# Altium PCB CL-HC-M-V2.1gerber.PcbDoc (part 11 of 18) (continued)
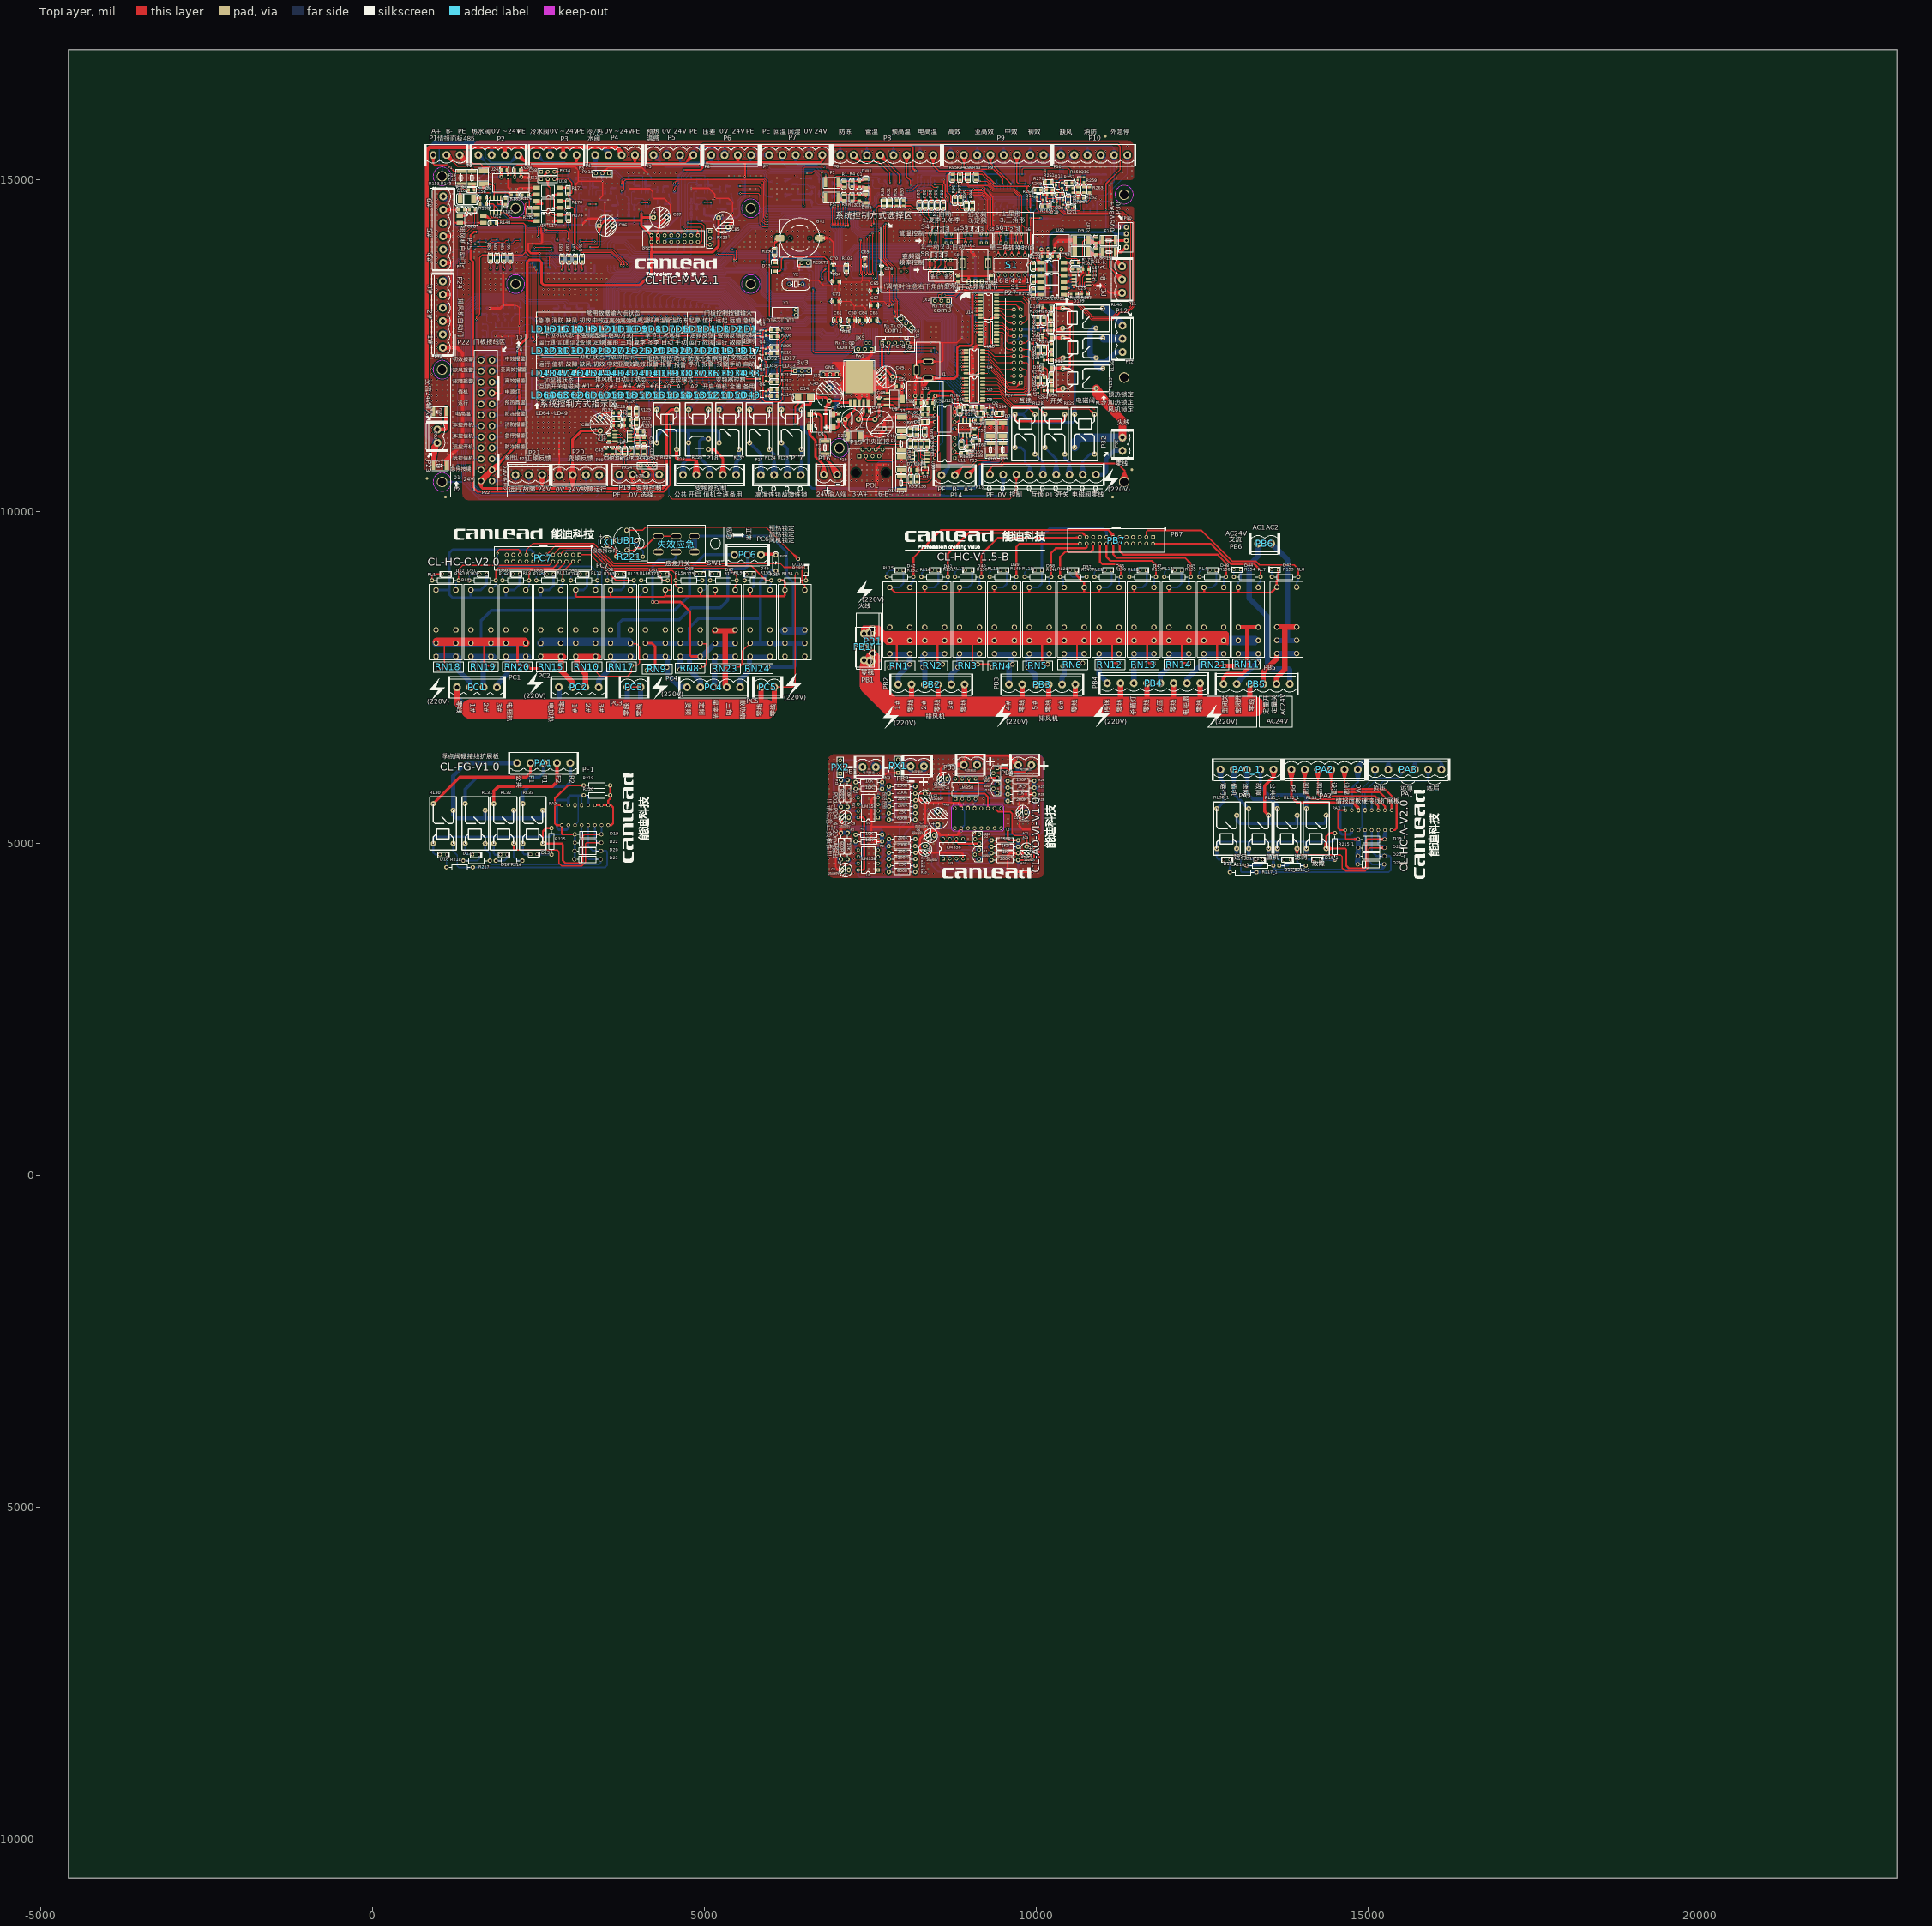
[diagram p0: TopLayer view]
## Nets (pads, with @x,y where several pads share a name; then routed paths per layer and width w, separated by ;. In a path a pad name is that pad's centre, name@x,y a point inside that pad or via, vN(x,y) a via of type N, cw(c..) or ccw(c..) an arc to the next point about the centre after c; other vN are vias at no path point) (continued)
10011.13,14225.98 10091.13,14225.98 10171.13,14225.98 891.13,14305.98 971.13,14305.98 3211.13,14305.98 3531.13,14305.98 3691.13,14305.98 3771.13,14305.98 3851.13,14305.98 3931.13,14305.98 5051.13,14305.98 5131.13,14305.98 5451.13,14305.98 5531.13,14305.98 6251.13,14305.98 6331.13,14305.98 6411.13,14305.98 6491.13,14305.98 6571.13,14305.98 6651.13,14305.98 6731.13,14305.98 6811.13,14305.98 7371.13,14305.98 7451.13,14305.98 7851.13,14305.98 7931.13,14305.98 8011.13,14305.98 8091.13,14305.98 8171.13,14305.98 8251.13,14305.98 8331.13,14305.98 8411.13,14305.98 8731.13,14305.98 8811.13,14305.98 8891.13,14305.98 8971.13,14305.98 9051.13,14305.98 9131.13,14305.98 9211.13,14305.98 10011.13,14305.98 10091.13,14305.98 10171.13,14305.98 10251.13,14305.98 10331.13,14305.98 10411.13,14305.98 10491.13,14305.98 10571.13,14305.98 10651.13,14305.98 10731.13,14305.98 10811.13,14305.98 10891.13,14305.98 10971.13,14305.98 891.13,14385.98 971.13,14385.98 1451.13,14385.98 2651.13,14385.98 4331.13,14385.98 5531.13,14385.98 5611.13,14385.98 7371.13,14385.98 7451.13,14385.98 7691.13,14385.98 7771.13,14385.98 7851.13,14385.98 7931.13,14385.98 8011.13,14385.98 8091.13,14385.98 8171.13,14385.98 8251.13,14385.98 8731.13,14385.98 8811.13,14385.98 8891.13,14385.98 8971.13,14385.98 9051.13,14385.98 9131.13,14385.98 9211.13,14385.98 9371.13,14385.98 9451.13,14385.98 9531.13,14385.98 9611.13,14385.98 9691.13,14385.98 10411.13,14385.98 10491.13,14385.98 10571.13,14385.98 10651.13,14385.98 10731.13,14385.98 10811.13,14385.98 10891.13,14385.98 10971.13,14385.98 11211.13,14385.98 11291.13,14385.98 891.13,14465.98 971.13,14465.98 1131.13,14465.98 2651.13,14465.98 3211.13,14465.98 3451.13,14465.98 3531.13,14465.98 3611.13,14465.98 3771.13,14465.98 4331.13,14465.98 7691.13,14465.98 7771.13,14465.98 7851.13,14465.98 7931.13,14465.98 8011.13,14465.98 8091.13,14465.98 8171.13,14465.98 8731.13,14465.98 8811.13,14465.98 8891.13,14465.98 8971.13,14465.98 9051.13,14465.98 9131.13,14465.98 9211.13,14465.98 891.13,14545.98 971.13,14545.98 3211.13,14545.98 3771.13,14545.98 4011.13,14545.98 8091.13,14545.98 8811.13,14545.98 9131.13,14545.98 9211.13,14545.98 11371.13,14545.98 891.13,14625.98 971.13,14625.98 1131.13,14625.98 3771.13,14625.98 9131.13,14625.98 9211.13,14625.98 10971.13,14625.98 891.13,14705.98 971.13,14705.98 1211.13,14705.98 3771.13,14705.98 4171.13,14705.98 5131.13,14705.98 6091.13,14705.98 10891.13,14705.98 10971.13,14705.98 5681.21,14753.13 5761.21,14753.13 971.13,14785.98 1211.13,14785.98 6091.13,14785.98 5691.13,14865.98 5771.13,14865.98 6011.13,14865.98 6091.13,14865.98 6171.13,14865.98 6251.13,14865.98 6331.13,14865.98 6411.13,14865.98 3531.13,14945.98 3611.13,14945.98 3691.13,14945.98 4251.13,14945.98 6091.13,14945.98 3371.13,15025.98 3531.13,15025.98 3611.13,15025.98 6091.13,15025.98 11211.13,15025.98 11371.13,15025.98 11440.88,15055.67 5370.87,15058 5450.87,15058 5530.87,15058 5695.79,15060.29 5775.79,15060.29 5855.79,15060.29 2331.13,15105.98 2411.13,15105.98 3051.13,15105.98 3131.13,15105.98 3211.13,15105.98 3291.13,15105.98 3771.13,15105.98 3851.13,15105.98 3931.13,15105.98 4011.13,15105.98 4091.13,15105.98 4251.13,15105.98 4331.13,15105.98 4411.13,15105.98 4491.13,15105.98 4571.13,15105.98 11291.13,15105.98 11440.88,15135.67 10571.13,15185.98 10651.13,15185.98 10731.13,15185.98 10811.13,15185.98 10891.13,15185.98 10971.13,15185.98 11051.13,15185.98 11211.13,15185.98 11440.88,15215.67 6891.13,15265.98 6971.13,15265.98 7051.13,15265.98 7131.13,15265.98 7211.13,15265.98 7851.13,15265.98 7931.13,15265.98 8251.13,15265.98 8331.13,15265.98 8571.13,15265.98 8651.13,15265.98 8731.13,15265.98 8811.13,15265.98 8971.13,15265.98 9051.13,15265.98 9131.13,15265.98 10411.13,15265.98 10571.13,15265.98 10651.13,15265.98 10731.13,15265.98 10811.13,15265.98 10891.13,15265.98 10971.13,15265.98 11211.13,15265.98 3851.13,15345.98 5611.13,15345.98 6491.13,15345.98 6891.13,15345.98 8571.13,15345.98 8811.13,15345.98 9211.13,15345.98 9611.13,15345.98 10011.13,15345.98 3851.13,15425.98 4331.13,15425.98 4731.13,15425.98 5371.13,15425.98 5611.13,15425.98 5851.13,15425.98 6091.13,15425.98 6251.13,15425.98 6491.13,15425.98 6651.13,15425.98 6891.13,15425.98 6971.13,15425.98 7131.13,15425.98 7371.13,15425.98 7531.13,15425.98 7771.13,15425.98 7931.13,15425.98 8331.13,15425.98 8571.13,15425.98 8811.13,15425.98 9211.13,15425.98 9611.13,15425.98 10011.13,15425.98 10251.13,15425.98 10491.13,15425.98 10651.13,15425.98 10891.13,15425.98 11051.13,15425.98 3771.13,15505.98 3851.13,15505.98 3931.13,15505.98 4011.13,15505.98 4091.13,15505.98 11371.13,15505.98
  other v2: 5370.6,12549.42 1246.93,12754.18 1780.51,13313.33 7109.79,13373.19 1405.29,13461.16 6689.31,14080 6687.11,14155.38 5773.46,14183.62 7326.23,14458.35 6550.44,14854.22 6359.89,15062.02
  other v4: 9064.57,5162.36 8868.14,5183.34
JTCK: J2.3 U33.109 | length 948.5
  BottomLayer w10: 7612.94,12703.25 U33.109@7612.94,12738 ; U33.109@7612.94,12768.25 7612.94,12510.09 7641.78,12481.24 7815.27,12481.24 J2.3@7873.58,12539.55 7822.84,12488.81 ; J2.3@7853.53,12553.68 7822.84,12488.81 ; J2.3@7862.32,12548.73 7822.84,12488.81 ; J2.3@7882.76,12528.29 7822.84,12488.81 ; J2.3@7887.7,12519.5 7822.84,12488.81
JTMS: J2.4 U33.105 | length 799.7
  BottomLayer w10: U33.105@7695.61,12909.98 7767.2,12909.98 7972.01,12705.17 J2.4@7972.01,12539.55 ; U33.105@7725.86,12909.98 7760.61,12909.98 ; J2.4@7948,12544.6 7972.01,12599.08 ; J2.4@7957.59,12541.32 7972.01,12599.08 ; J2.4@7986.42,12541.32 7972.01,12599.08 ; J2.4@7996.01,12544.6 7972.01,12599.08
L: P32.2 pad.0@7498.02,8169.04 PB1'.3 PB1.2@7536.88,8235.86 RL4.4 RL7.4 RL14.4 RL15.4 RL16.4 RL17.4 RL18.4 RL19.4 RL20.4 RL21.4 RL22.4 RL27.4 RL35.4 RN1.1 RN2.1 RN3.1 RN4.1 RN5.1 RN6.1 RN11.1 RN12.1 RN13.1 RN14.1 RN21.1 | length 10736.1
  TopLayer w30: RN1.1@7789.39,7650.36 7873.84,7650.36 7897.88,7674.4 7897.88,8042 7889.54,8050.34 RL15.4@7798.57,8050.34 ; RN2.1@8599.03,7702.22 8535.92,7702.22 8512.41,7725.73 8512.41,8042 8520.75,8050.34 RL16.4@8611.72,8050.34 ; RN3.1@9119.37,7697.76 9291.99,7697.76 RN4.1@9339.39,7650.36 ; RN3.1@9124.74,7702.22 9076.77,7702.22 9038.12,7740.87 9038.12,8042 9046.46,8050.34 RL17.4@9137.44,8050.34 ; RN5.1@10176.17,7702.22 10128.2,7702.22 10089.55,7740.87 10089.55,8042 10097.89,8050.34 RL19.4@10188.86,8050.34 ; RN6.1@10701.75,7702.22 RN6.1@10701.88,7702.22 ; RN6.1@10701.75,7716.03 10671.73,7716.03 10615.26,7772.5 10615.26,8042 10623.6,8050.34 RL20.4@10714.57,8050.34 ; RL21.4@11244.55,8050.34 11153.58,8050.34 11145.24,8042 11145.24,7740.87 11170.08,7716.03 RN12.1@11250.31,7716.03 ; RL22.4@11770.27,8050.34 11679.29,8050.34 11670.95,8042 11670.95,7740.87 11695.8,7716.03 RN13.1@11771.75,7716.03 RN13.1@11776.02,7716.03 ; RL14.4@12295.98,8050.34 12205,8050.34 12196.66,8042 12196.66,7740.87 12221.51,7716.03 RN14.1@12301.75,7716.03 ; RL4.4@12824.46,8055.1 12733.49,8055.1 12725.14,8046.76 12725.14,7692.62 12747.41,7670.36 RN21.1@12830.21,7670.36
  TopLayer w60: RN21.1@12830.21,7670.36 12834.78,7674.92 RN11.1@13028.41,7674.92 ; 12891.33,7670.36 RN11.1@13013.25,7670.36
  TopLayer w118.11: 11165.5,11509.23 RL35.4@10904.37,11855 ; P32.2@11300.57,11114.37 11300.57,11374.16 10904.37,11770.37 ; 10904.37,11770.37 RL35.4@10904.37,11855 ; 10904.37,11770.37 RL35.4@10904.37,11855
  BottomLayer w60: RL4.4@12825.23,8056.66 12826.36,8057.78 RL7.4@13045.26,8057.78 RL7.4@13345.26,8057.78 ; 12858.58,8113.77 12876.86,8095.49 13307.55,8095.49 RL7.4@13345.26,8057.78 ; 12876.86,8020.07 12881.99,8014.93 13302.41,8014.93 RL7.4@13345.26,8057.78
  BottomLayer w118.11: 11165.5,11509.23 RL35.4@10904.37,11855 ; RL27.4@10579.6,10963.92 10579.6,11048.81 ; RL27.4@10579.6,10963.92 10645.17,11114.37 ; RL27.4@10579.6,10963.92 10579.6,11048.81 ; 10579.6,11048.81 10645.17,11114.37 ; 10645.17,11114.37 P32.2@11300.57,11114.37 11300.57,11374.16 10904.37,11770.37 ; 10904.37,11770.37 RL35.4@10904.37,11855 ; 10904.37,11770.37 RL35.4@10904.37,11855
LAMP-EX1: P22.20 U27.16 | length 5617.3
  BottomLayer w20: P22.20@1801.8,10811.96 1910.8,10795.68 ; P22.20@1803.14,10772.15 1910.8,10795.68 ; P22.20@1806.6,10831.55 1910.8,10795.68 ; P22.20@1809.23,10752.92 1910.8,10795.68 ; 5785.95,11818.83 U27.16@5860.95,11818.83 4306.72,11818.83 4168.4,11680.52 4168.4,10817.29 4146.8,10795.68 1804.35,10795.68 P22.20@1800.66,10791.99 1910.8,10795.68
LAMP-EX2: P22.24 U27.15 | length 5908.8
  BottomLayer w20: P22.24@1802.48,10441.37 1910.66,10461.29 ; P22.24@1802.48,10481.2 1910.66,10461.29 ; P22.24@1807.93,10421.95 1910.66,10461.29 ; P22.24@1807.93,10500.62 1910.66,10461.29 ; U27.15@5910.95,11793.83 5910.95,11758.55 ; U27.15@5910.95,11818.83 5910.95,11758.55 ; 1910.66,10461.29 P22.24@1800.66,10461.29 1973.82,10461.29 1990.55,10478.02 1990.55,10682.34 2075.89,10767.68 4175.65,10767.68 4199.67,10791.71 4199.67,11638.24 4300.73,11739.29 5891.69,11739.29 5910.95,11758.55
LED-COM01: R207.2 R208.2 U33.140 | length 1780.1
  TopLayer w10: R208.2@6081.3,12643.23 6096.13,12690.98 ; R207.2@6081.3,12733.73 6096.13,12685.98 ; R208.2@6096.13,12635.98 R207.2@6096.13,12740.98 6150.04,12740.98 ; R208.2@6096.13,12640.98 6096.13,12690.98 ; R207.2@6096.13,12735.98 6096.13,12685.98 ; R207.2@6098.38,12726.15 6146.13,12740.98 R207.2@6098.38,12755.81 ; R208.2@6110.96,12643.23 6096.13,12690.98 ; R207.2@6110.96,12733.73 6096.13,12685.98 ; v1@6149.68,12719.55 6150.04,12740.98 ; v1@6163.63,12724.39 6150.04,12740.98 ; 6150.04,12740.98 6157.08,12733.94 ; 6150.04,12740.98 v1(6157.08,12720.73) ; v1(6157.08,12720.73) 6157.08,12733.94 ; v1(6157.08,12720.73) 6157.08,12733.94 ; 6157.08,12733.94 6149.89,12722.86 6157.08,12733.94 ; 6157.08,12733.94 6164.27,12722.86 6157.08,12733.94
  BottomLayer w10: v1(6157.08,12720.73) 6748.74,12720.73 6799.21,12670.26 6974.29,12670.26 7002.7,12698.67 U33.140@7002.7,12768.25 ; v1@6157.74,12713.26 6199.58,12720.73 v1@6157.74,12728.2 ; 7002.7,12703.25 U33.140@7002.7,12738
LED-COM02: R209.2 R210.2 U33.139 | length 2025.1
  TopLayer w10: R210.2@6081.3,12388.23 6096.13,12435.98 ; R209.2@6081.3,12468.73 6096.13,12420.98 ; R209.2@6081.3,12483.23 6096.13,12530.98 ; R210.2@6096.13,12380.98 R209.2@6096.13,12475.98 6096.13,12567.43 6142.88,12614.18 6142.88,12668.99 6151.51,12677.61 ; R210.2@6096.13,12385.98 6096.13,12435.98 ; R209.2@6096.13,12470.98 6096.13,12420.98 ; R209.2@6096.13,12480.98 6096.13,12530.98 ; R210.2@6110.96,12388.23 6096.13,12435.98 ; R209.2@6110.96,12468.73 6096.13,12420.98 ; R209.2@6110.96,12483.23 6096.13,12530.98 ; v1@6185.72,12670.15 6151.51,12677.61 ; v1@6185.72,12685.07 6151.51,12677.61 ; 6151.51,12677.61 v1(6186.52,12677.61) 6151.51,12677.61
  BottomLayer w10: v1@6182.43,12683.9 6218.24,12702.73 ; v1@6191.7,12672.19 6218.24,12702.73 ; 7022.39,12703.25 U33.139@7022.39,12738 ; U33.139@7022.39,12768.25 7022.39,12692.9 6981.75,12652.26 6791.75,12652.26 6741.29,12702.73 6218.24,12702.73 ; 6218.24,12702.73 6193.12,12677.61 v1(6186.52,12677.61) 6218.24,12702.73
LED-COM03: R211.2 R212.2 U33.137 | length 2441.3
  TopLayer w10: R212.2@6081.3,11958.23 6096.13,12005.98 ; R211.2@6081.3,12033.73 6096.13,11985.98 ; R211.2@6081.3,12048.23 6096.13,12095.98 ; R212.2@6096.13,11950.98 6096.13,12166.07 6136.79,12206.73 6136.79,12565.74 6214.43,12643.37 v1(6214.43,12649.19) 6183.73,12612.68 ; R212.2@6096.13,11955.98 6096.13,12005.98 ; R211.2@6096.13,12035.98 6096.13,11985.98 ; R211.2@6096.13,12045.98 6096.13,12095.98 ; R212.2@6110.96,11958.23 6096.13,12005.98 ; R211.2@6110.96,12033.73 6096.13,11985.98 ; R211.2@6110.96,12048.23 6096.13,12095.98 ; v1@6208.33,12653.55 6183.73,12612.68 ; v1@6219.77,12643.93 6183.73,12612.68
  BottomLayer w10: v1@6209.56,12654.9 6248.14,12682.91 v1@6220.13,12644.33 ; v1(6214.43,12649.19) 6249.96,12684.73 6733.83,12684.73 6784.3,12634.26 6989.2,12634.26 7061.76,12706.82 ; U33.137@7061.76,12738 7061.76,12706.82 ; U33.137@7061.76,12768.25 7061.76,12706.82
LED-COM04: R213.2 R214.2 U33.136 | length 2638.9
  TopLayer w10: R214.2@6081.3,11743.23 6096.13,11790.98 ; R213.2@6081.3,11828.73 6096.13,11780.98 ; R213.2@6081.78,11845.35 6096.13,11866.7 ; R214.2@6096.13,11735.98 6096.13,11866.7 ; R214.2@6096.13,11740.98 6096.13,11790.98 ; R213.2@6096.13,11830.98 6096.13,11780.98 ; R213.2@6096.13,11840.98 6096.13,11866.7 ; R213.2@6110.48,11845.36 6096.13,11866.7 ; R214.2@6110.96,11743.23 6096.13,11790.98 ; R213.2@6110.96,11828.73 6096.13,11780.98 ; v1@6236.63,12625.65 6208.62,12587.07 ; v1@6247.21,12615.08 6208.62,12587.07 ; 6096.13,11866.7 6154.79,11925.36 6154.79,12533.24 v1(6242.34,12620.78) 6208.62,12587.07
  BottomLayer w10: v1@6237.42,12626.45 6275.72,12654.67 ; v1@6240.81,12619.76 6281.64,12660.59 6723.83,12660.59 6774.3,12610.12 7012.08,12610.12 7081.44,12679.48 U33.136@7081.44,12768.25 ; v1(6242.34,12620.78) 6275.72,12654.67 ; v1@6248.08,12615.95 6275.72,12654.67 ; 7081.44,12703.25 U33.136@7081.44,12738
LED-OUT-PIN01: LD1.K LD17.K LD33.K LD49.K R191.2 | length 6477.1
  TopLayer w10: v1(5164.04,12270.16) 5245.98,12270.16 5337.74,12178.4 5673.94,12178.4 5702.17,12150.16 LD33.K@5702.17,12086.56 ; v1(5164.04,12603.14) 5245.98,12603.14 5337.74,12511.38 5673.94,12511.38 5702.17,12483.15 LD17.K@5702.17,12419.54 ; v1(5164.04,12930.77) 5245.98,12930.77 5337.74,12839.01 5673.94,12839.01 5702.17,12810.77 LD1.K@5702.17,12747.17 ; v1(5164.58,11937.18) 5246.53,11937.18 5338.29,11845.42 5674.48,11845.42 5702.72,11817.18 LD49.K@5702.72,11753.58 ; v1@5164.7,12262.69 5206.54,12270.16 v1@5164.7,12277.63 ; v1@5164.7,12595.67 5206.54,12603.14 v1@5164.7,12610.61 ; v1@5164.7,12923.29 5206.54,12930.77 v1@5164.7,12938.24 ; v1@5165.24,11929.7 5207.08,11937.18 v1@5165.24,11944.65 ; LD33.K@5682.51,12090.19 5702.17,12141.56 ; LD17.K@5682.51,12423.18 5702.17,12474.54 ; LD1.K@5682.51,12750.8 5702.17,12802.17 ; LD49.K@5683.05,11757.21 5702.72,11808.58 ; LD33.K@5692.21,12087.47 5702.17,12141.56 ; LD17.K@5692.21,12420.45 5702.17,12474.54 ; LD1.K@5692.21,12748.07 5702.17,12802.17 ; LD49.K@5692.76,11754.48 5702.72,11808.58 ; LD33.K@5712.13,12087.47 5702.17,12141.56 ; LD17.K@5712.13,12420.45 5702.17,12474.54 ; LD1.K@5712.13,12748.07 5702.17,12802.17 ; LD49.K@5712.68,11754.48 5702.72,11808.58 ; LD33.K@5721.84,12090.19 5702.17,12141.56 ; LD17.K@5721.84,12423.18 5702.17,12474.54 ; LD1.K@5721.84,12750.8 5702.17,12802.17 ; LD49.K@5722.38,11757.21 5702.72,11808.58
  BottomLayer w10: R191.2@5148.67,12983.84 5163.5,12936.09 R191.2@5178.33,12983.84 ; v1@5156.56,12269.59 5163.5,12227.65 ; v1@5156.56,12270.73 5163.5,12312.67 ; v1@5156.57,12602.51 5163.86,12560.64 v1@5171.51,12602.45 ; v1@5156.56,12602.57 5163.5,12560.63 ; v1@5156.56,12603.71 5163.5,12645.65 ; v1@5156.56,12930.2 5163.5,12888.25 ; v1@5156.56,12931.33 R191.2@5163.5,12973.27 ; v1@5156.67,12929.35 R191.2@5152.29,12972.2 ; v1@5156.97,12933.26 R191.2@5174.82,12972.54 ; v1@5157.1,11937.65 5163.5,11979.72 ; v1@5163.5,11937.18 5163.5,12489.78 5164.04,12363.38 ; R191.2@5163.5,12986.09 5163.5,12476.74 v1(5164.04,12603.14) ; v1(5164.58,11937.18) 5163.5,11979.72 ; v1@5171.05,12933.43 R191.2@5152.29,12972.2 ; v1@5171.44,12929.53 R191.2@5174.82,12972.54 ; v1@5171.5,12269.4 5163.5,12227.65 ; v1@5171.5,12270.91 5163.5,12312.67 ; v1@5171.5,12602.39 5163.5,12560.63 ; v1@5171.5,12603.9 5163.5,12645.65 ; v1@5171.5,12930.01 5163.5,12888.25 ; v1@5171.5,12931.52 R191.2@5163.5,12973.27 ; v1@5172.03,11938.03 5163.5,11979.72 ; R191.2@5152.29,12972.2 v1(5164.04,12930.77) ; 5163.5,12227.65 v1(5164.04,12270.16) 5163.5,12312.67 ; 5163.5,12560.63 v1(5164.04,12603.14) ; 5163.5,12645.65 v1(5164.04,12603.14) ; 5163.5,12888.25 v1(5164.04,12930.77) ; R191.2@5163.5,12973.27 v1(5164.04,12930.77) ; v1(5164.04,12930.77) R191.2@5174.82,12972.54
LED-OUT-PIN02: LD2.K LD18.K LD34.K LD50.K R192.2 | length 6109.7
  TopLayer w10: v1(5072.81,12270.16) 5109.33,12270.16 ; v1(5072.81,12603.14) 5109.33,12603.14 ; v1(5072.81,12930.77) 5109.33,12930.77 ; v1(5073.36,11937.18) 5109.87,11937.18 ; v1@5073.58,12262.7 5109.33,12270.16 ; v1@5073.58,12277.62 5109.33,12270.16 ; v1@5073.58,12595.68 5109.33,12603.14 ; v1@5073.58,12610.6 5109.33,12603.14 ; v1@5073.58,12923.31 5109.33,12930.77 ; v1@5073.58,12938.23 5109.33,12930.77 ; v1@5074.13,11929.72 5109.87,11937.18 ; v1@5074.13,11944.64 5109.87,11937.18 ; LD34.K@5476.72,12090.2 5496.38,12141.56 ; LD18.K@5476.71,12423.18 5496.38,12474.54 ; LD2.K@5476.72,12750.8 5496.38,12802.17 ; LD50.K@5477.26,11757.21 5496.93,11808.58 ; LD34.K@5486.42,12087.47 5496.38,12141.56 ; LD18.K@5486.42,12420.45 5496.38,12474.54 ; LD2.K@5486.42,12748.07 5496.38,12802.17 ; LD50.K@5486.97,11754.48 5496.93,11808.58 ; LD2.K@5496.38,12747.17 5496.38,12810.69 5486.07,12821.01 5328.57,12821.01 5246.93,12902.65 5137.44,12902.65 5109.33,12930.77 ; LD34.K@5506.34,12087.47 5496.38,12141.56 ; LD18.K@5506.34,12420.45 5496.38,12474.54 ; LD2.K@5506.34,12748.07 5496.38,12802.17 ; LD50.K@5506.88,11754.48 5496.93,11808.58 ; LD34.K@5516.05,12090.19 5496.38,12141.56 ; LD18.K@5516.05,12423.18 5496.38,12474.54 ; LD2.K@5516.05,12750.8 5496.38,12802.17 ; LD50.K@5516.59,11757.21 5496.93,11808.58 ; 5109.33,12270.16 5137.44,12242.05 5246.93,12242.05 5328.57,12160.4 5486.07,12160.4 5496.38,12150.08 LD34.K@5496.38,12086.56 5496.38,12141.56 ; 5109.33,12603.14 5137.44,12575.03 5246.93,12575.03 5328.57,12493.38 5486.07,12493.38 5496.38,12483.06 LD18.K@5496.38,12419.54 5496.38,12474.54 ; 5109.87,11937.18 5137.98,11909.06 5247.47,11909.06 5329.12,11827.42 5486.61,11827.42 5496.93,11817.1 LD50.K@5496.93,11753.58 5496.93,11808.58
  BottomLayer w10: R192.2@5057.44,12983.84 5072.28,12936.09 R192.2@5087.11,12983.84 ; v1@5065.33,12269.59 5072.28,12227.65 ; v1@5065.33,12270.73 5072.28,12312.67 ; v1@5065.34,12602.51 5072.62,12560.64 v1@5080.28,12602.45 ; v1@5065.33,12602.57 5072.28,12560.63 ; v1@5065.33,12603.71 5072.28,12645.65 ; v1@5065.33,12930.2 5072.28,12888.25 ; v1@5065.33,12931.33 R192.2@5072.28,12973.27 ; v1@5065.45,12929.35 R192.2@5061.06,12972.2 ; v1@5065.74,12933.26 R192.2@5083.6,12972.54 ; v1@5065.87,11937.65 5072.28,11979.72 ; v1@5072.28,11937.18 5072.28,12483.26 ; R192.2@5072.28,12986.09 5072.28,12483.26 ; 5072.81,12363.38 5072.28,12483.26 ; v1(5073.36,11937.18) 5072.28,11979.72 ; v1@5079.82,12933.43 R192.2@5061.06,12972.2 ; v1@5080.21,12929.53 R192.2@5083.6,12972.54 ; v1@5080.27,12269.4 5072.28,12227.65 ; v1@5080.27,12270.91 5072.28,12312.67 ; v1@5080.27,12602.39 5072.28,12560.63 ; v1@5080.27,12603.9 5072.28,12645.65 ; v1@5080.27,12930.01 5072.28,12888.25 ; v1@5080.27,12931.52 R192.2@5072.28,12973.27 ; v1@5080.81,11938.03 5072.28,11979.72 ; R192.2@5061.06,12972.2 v1(5072.81,12930.77) ; 5072.28,12227.65 v1(5072.81,12270.16) 5072.28,12312.67 ; 5072.28,12483.26 v1(5072.81,12603.14) ; 5072.28,12560.63 v1(5072.81,12603.14) ; 5072.28,12645.65 v1(5072.81,12603.14) ; 5072.28,12888.25 v1(5072.81,12930.77) ; R192.2@5072.28,12973.27 v1(5072.81,12930.77) ; v1(5072.81,12930.77) R192.2@5083.6,12972.54
LED-OUT-PIN03: LD3.K LD19.K LD35.K LD51.K R193.2 | length 5723.9
  TopLayer w10: v1(4981.59,12270.16) 5032.74,12270.16 5078.86,12224.05 5239.47,12224.05 5290.59,12172.92 LD35.K@5290.59,12086.56 5290.59,12141.56 ; v1(4981.59,12603.14) 5032.74,12603.14 5078.86,12557.03 5239.47,12557.03 5290.59,12505.91 LD19.K@5290.59,12419.54 ; v1(4981.59,12930.77) 5032.74,12930.77 5078.86,12884.65 5239.47,12884.65 5290.59,12833.53 LD3.K@5290.59,12747.17 ; v1(4982.13,11937.18) 5033.29,11937.18 5079.4,11891.06 5240.01,11891.06 5291.14,11839.94 LD51.K@5291.14,11753.58 5291.14,11808.58 ; v1@4982.25,12262.69 5024.09,12270.16 v1@4982.25,12277.63 ; v1@4982.25,12595.67 5024.09,12603.14 v1@4982.25,12610.61 ; v1@4982.25,12923.29 5024.09,12930.77 v1@4982.25,12938.24 ; v1@4982.79,11929.7 5024.63,11937.18 v1@4982.79,11944.65 ; LD35.K@5270.93,12090.19 5290.59,12141.56 ; LD19.K@5270.92,12423.18 5290.59,12474.54 ; LD3.K@5270.92,12750.8 5290.59,12802.17 ; LD51.K@5271.47,11757.21 5291.14,11808.58 ; LD35.K@5280.63,12087.47 5290.59,12141.56 ; LD19.K@5280.63,12420.45 5290.59,12474.54 ; LD3.K@5280.63,12748.07 5290.59,12802.17 ; LD51.K@5281.18,11754.48 5291.14,11808.58 ; LD35.K@5300.55,12087.47 5290.59,12141.56 ; LD19.K@5300.55,12420.45 5290.59,12474.54 ; LD3.K@5300.55,12748.07 5290.59,12802.17 ; LD51.K@5301.09,11754.48 5291.14,11808.58 ; LD19.K@5310.26,12423.18 5290.59,12474.54 ; LD3.K@5310.26,12750.8 5290.59,12802.17 ; LD35.K@5310.26,12090.2 5290.59,12141.56 ; LD51.K@5310.8,11757.21 5291.14,11808.58
  BottomLayer w10: R193.2@4966.22,12983.84 4981.05,12936.09 R193.2@4995.88,12983.84 ; v1@4974.11,12269.59 4981.05,12227.65 ; v1@4974.11,12270.73 4981.05,12312.67 ; v1@4974.11,12602.57 4981.05,12560.63 ; v1@4974.11,12603.71 4981.05,12645.65 ; v1@4974.11,12930.2 4981.05,12888.25 ; v1@4974.11,12931.33 R193.2@4981.05,12973.27 ; v1@4974.11,12602.51 4981.4,12560.64 v1@4989.05,12602.45 ; v1@4974.22,12929.36 R193.2@4969.83,12972.2 ; v1@4974.51,12933.26 R193.2@4992.37,12972.54 ; v1@4974.64,11937.65 4981.05,11979.72 ; v1@4981.05,11937.18 4981.05,12489.78 4981.59,12363.38 ; R193.2@4981.05,12986.09 4981.05,12476.74 v1(4981.59,12603.14) ; v1(4982.13,11937.18) 4981.05,11979.72 ; v1@4988.6,12933.43 R193.2@4969.83,12972.2 ; v1@4988.98,12929.53 R193.2@4992.37,12972.54 ; v1@4989.05,12269.4 4981.05,12227.65 ; v1@4989.05,12270.91 4981.05,12312.67 ; v1@4989.05,12602.39 4981.05,12560.63 ; v1@4989.05,12603.9 4981.05,12645.65 ; v1@4989.05,12930.01 4981.05,12888.25 ; v1@4989.05,12931.52 R193.2@4981.05,12973.27 ; v1@4989.58,11938.03 4981.05,11979.72 ; R193.2@4969.83,12972.2 v1(4981.59,12930.77) ; 4981.05,12227.65 v1(4981.59,12270.16) 4981.05,12312.67 ; 4981.05,12560.63 v1(4981.59,12603.14) ; 4981.05,12645.65 v1(4981.59,12603.14) ; 4981.05,12888.25 v1(4981.59,12930.77) ; R193.2@4981.05,12973.27 v1(4981.59,12930.77) ; v1(4981.59,12930.77) R193.2@4992.37,12972.54
LED-OUT-PIN04: LD4.K LD20.K LD36.K LD52.K R194.2 | length 5175.8
  TopLayer w10: v1(4890.36,12270.16) 4938.82,12270.16 4966.39,12242.59 5034.86,12242.59 5084.8,12192.65 LD36.K@5084.8,12086.56 ; v1(4890.36,12603.14) 4938.82,12603.14 4966.39,12575.57 5034.86,12575.57 5084.8,12525.63 LD20.K@5084.8,12419.54 ; v1(4890.36,12930.77) 4938.82,12930.77 4966.39,12903.2 5034.86,12903.2 5084.8,12853.25 LD4.K@5084.8,12747.17 ; v1(4890.9,11937.18) 4939.37,11937.18 4966.93,11909.61 5035.4,11909.61 5085.35,11859.66 LD52.K@5085.35,11753.58 ; v1@4891.02,12262.69 4932.86,12270.16 v1@4891.02,12277.63 ; v1@4891.02,12595.67 4932.86,12603.14 v1@4891.02,12610.61 ; v1@4891.02,12923.29 4932.86,12930.77 v1@4891.02,12938.24 ; v1@4891.56,11929.7 4933.4,11937.18 v1@4891.56,11944.65 ; LD36.K@5065.13,12090.19 5084.8,12141.56 ; LD20.K@5065.13,12423.18 5084.8,12474.54 ; LD4.K@5065.13,12750.8 5084.8,12802.17 ; LD52.K@5065.68,11757.21 5085.35,11808.58 ; LD36.K@5074.84,12087.47 5084.8,12141.56 ; LD20.K@5074.84,12420.45 5084.8,12474.54 ; LD4.K@5074.84,12748.07 5084.8,12802.17 ; LD52.K@5075.39,11754.48 5085.35,11808.58 ; LD36.K@5094.76,12087.47 5084.8,12141.56 ; LD20.K@5094.76,12420.45 5084.8,12474.54 ; LD4.K@5094.76,12748.07 5084.8,12802.17 ; LD52.K@5095.3,11754.48 5085.35,11808.58 ; LD36.K@5104.47,12090.19 5084.8,12141.56 ; LD20.K@5104.47,12423.18 5084.8,12474.54 ; LD4.K@5104.47,12750.8 5084.8,12802.17 ; LD52.K@5105.01,11757.21 5085.35,11808.58
  BottomLayer w10: R194.2@4874.99,12983.84 4889.82,12936.09 R194.2@4904.65,12983.84 ; v1@4882.88,12269.59 4889.82,12227.65 ; v1@4882.88,12270.73 4889.82,12312.67 ; v1@4882.89,12602.51 4890.17,12560.64 v1@4897.83,12602.45 ; v1@4882.88,12602.57 4889.82,12560.63 ; v1@4882.88,12603.71 4889.82,12645.65 ; v1@4882.88,12930.2 4889.82,12888.25 ; v1@4882.88,12931.33 R194.2@4889.82,12973.27 ; v1@4882.99,12929.36 R194.2@4878.61,12972.2 ; v1@4883.29,12933.26 R194.2@4901.14,12972.54 ; v1@4883.42,11937.65 4889.82,11979.72 ; v1@4889.82,11937.18 4889.82,12483.26 ; R194.2@4889.82,12986.09 4889.82,12483.26 ; 4890.36,12363.38 4889.82,12483.26 ; v1(4890.9,11937.18) 4889.82,11979.72 ; v1@4897.37,12933.43 R194.2@4878.61,12972.2 ; v1@4897.76,12929.53 R194.2@4901.14,12972.54 ; v1@4897.82,12269.4 4889.82,12227.65 ; v1@4897.82,12270.91 4889.82,12312.67 ; v1@4897.82,12602.39 4889.82,12560.63 ; v1@4897.82,12603.9 4889.82,12645.65 ; v1@4897.82,12930.01 4889.82,12888.25 ; v1@4897.82,12931.52 R194.2@4889.82,12973.27 ; v1@4898.35,11938.03 4889.82,11979.72 ; R194.2@4878.61,12972.2 v1(4890.36,12930.77) ; 4889.82,12227.65 v1(4890.36,12270.16) 4889.82,12312.67 ; 4889.82,12483.26 v1(4890.36,12603.14) ; 4889.82,12560.63 v1(4890.36,12603.14) ; 4889.82,12645.65 v1(4890.36,12603.14) ; 4889.82,12888.25 v1(4890.36,12930.77) ; R194.2@4889.82,12973.27 v1(4890.36,12930.77) ; v1(4890.36,12930.77) R194.2@4901.14,12972.54
LED-OUT-PIN05: LD5.K LD21.K LD37.K LD53.K R195.2 | length 4970.1
  TopLayer w10: v1(4799.13,12270.16) 4837.28,12270.16 ; v1(4799.13,12603.14) 4837.28,12603.14 ; v1(4799.13,12930.77) 4837.28,12930.77 ; v1(4799.68,11937.18) 4837.82,11937.18 ; v1@4799.87,12262.69 4837.28,12270.16 ; v1@4799.87,12277.62 4837.28,12270.16 ; v1@4799.87,12595.68 4837.28,12603.14 ; v1@4799.87,12610.61 4837.28,12603.14 ; v1@4799.87,12923.3 4837.28,12930.77 ; v1@4799.87,12938.23 4837.28,12930.77 ; v1@4800.41,11929.71 4837.82,11937.18 ; v1@4800.41,11944.64 4837.82,11937.18 ; LD37.K@4859.34,12090.19 4879.01,12141.56 ; LD21.K@4859.34,12423.18 4879.01,12474.54 ; LD5.K@4859.34,12750.8 4879.01,12802.17 ; LD53.K@4859.89,11757.21 4879.56,11808.58 ; LD37.K@4869.05,12087.47 4879.01,12141.56 ; LD21.K@4869.05,12420.45 4879.01,12474.54 ; LD5.K@4869.05,12748.07 4879.01,12802.17 ; LD53.K@4869.6,11754.48 4879.56,11808.58 ; LD37.K@4879.01,12086.56 4879.01,12228.43 4837.28,12270.16 ; LD21.K@4879.01,12419.54 4879.01,12561.41 4837.28,12603.14 ; LD5.K@4879.01,12747.17 4879.01,12889.03 4837.28,12930.77 ; LD53.K@4879.56,11753.58 4879.56,11895.44 4837.82,11937.18 ; LD37.K@4888.97,12087.47 4879.01,12141.56 ; LD21.K@4888.97,12420.45 4879.01,12474.54 ; LD5.K@4888.97,12748.07 4879.01,12802.17 ; LD53.K@4889.51,11754.48 4879.56,11808.58 ; LD37.K@4898.68,12090.19 4879.01,12141.56 ; LD21.K@4898.68,12423.18 4879.01,12474.54 ; LD5.K@4898.68,12750.8 4879.01,12802.17 ; LD53.K@4899.22,11757.21 4879.56,11808.58
  BottomLayer w10: R195.2@4783.77,12983.84 v1@4798.6,12936.09 ; v1@4791.65,12269.59 4798.6,12227.65 ; v1@4791.65,12270.73 4798.6,12312.67 ; v1@4791.65,12602.57 4798.6,12560.63 ; v1@4791.65,12603.71 4798.6,12645.65 ; v1@4791.65,12930.2 4798.6,12888.25 ; v1@4791.66,12602.51 4798.95,12560.64 v1@4806.6,12602.45 ; v1@4791.77,12929.36 R195.2@4787.38,12972.2 ; v1@4792.06,12933.26 R195.2@4809.92,12972.54 ; v1@4792.19,11937.65 4798.6,11979.72 ; v1@4798.6,11937.18 4798.6,12489.78 4799.13,12363.38 ; v1(4799.68,11937.18) 4798.6,11979.72 ; v1@4806.14,12933.43 R195.2@4787.38,12972.2 ; v1@4806.53,12929.53 R195.2@4809.92,12972.54 ; v1@4806.59,12269.4 4798.6,12227.65 ; v1@4806.59,12270.91 4798.6,12312.67 ; v1@4806.59,12602.39 4798.6,12560.63 ; v1@4806.59,12603.9 4798.6,12645.65 ; v1@4806.59,12930.01 4798.6,12888.25 ; v1@4807.13,11938.03 4798.6,11979.72 ; R195.2@4813.43,12983.84 v1@4798.6,12936.09 ; R195.2@4787.38,12972.2 v1(4799.13,12930.77) ; 4798.6,12227.65 v1(4799.13,12270.16) 4798.6,12312.67 ; 4798.6,12560.63 v1(4799.13,12603.14) ; 4798.6,12645.65 v1(4799.13,12603.14) ; 4798.6,12888.25 v1(4799.13,12930.77) ; v1@4798.6,12936.09 R195.2@4798.6,12986.09 4798.6,12476.74 v1(4799.13,12603.14) ; R195.2@4798.6,12973.28 4791.65,12931.33 R195.2@4798.6,12973.27 ; R195.2@4798.6,12973.28 4806.59,12931.52 R195.2@4798.6,12973.27 ; R195.2@4798.6,12973.28 v1(4799.13,12930.77) ; R195.2@4798.6,12973.27 v1(4799.13,12930.77) ; v1(4799.13,12930.77) R195.2@4809.92,12972.54